# Altium PCB FPv0.16.PcbDoc (part 1 of 2)
Units mil, origin at the board's own origin, x right, y up, seen from the top; angles counter-clockwise.
Board outline 3200 x 2100 mil, 4 copper layers (Top Layer, GROUND PLANE, MidLayer1, Bottom Layer); 85 components, 150 nets, 545 pads, 235 vias.
Unrouted connection lines stored in the file: 72.
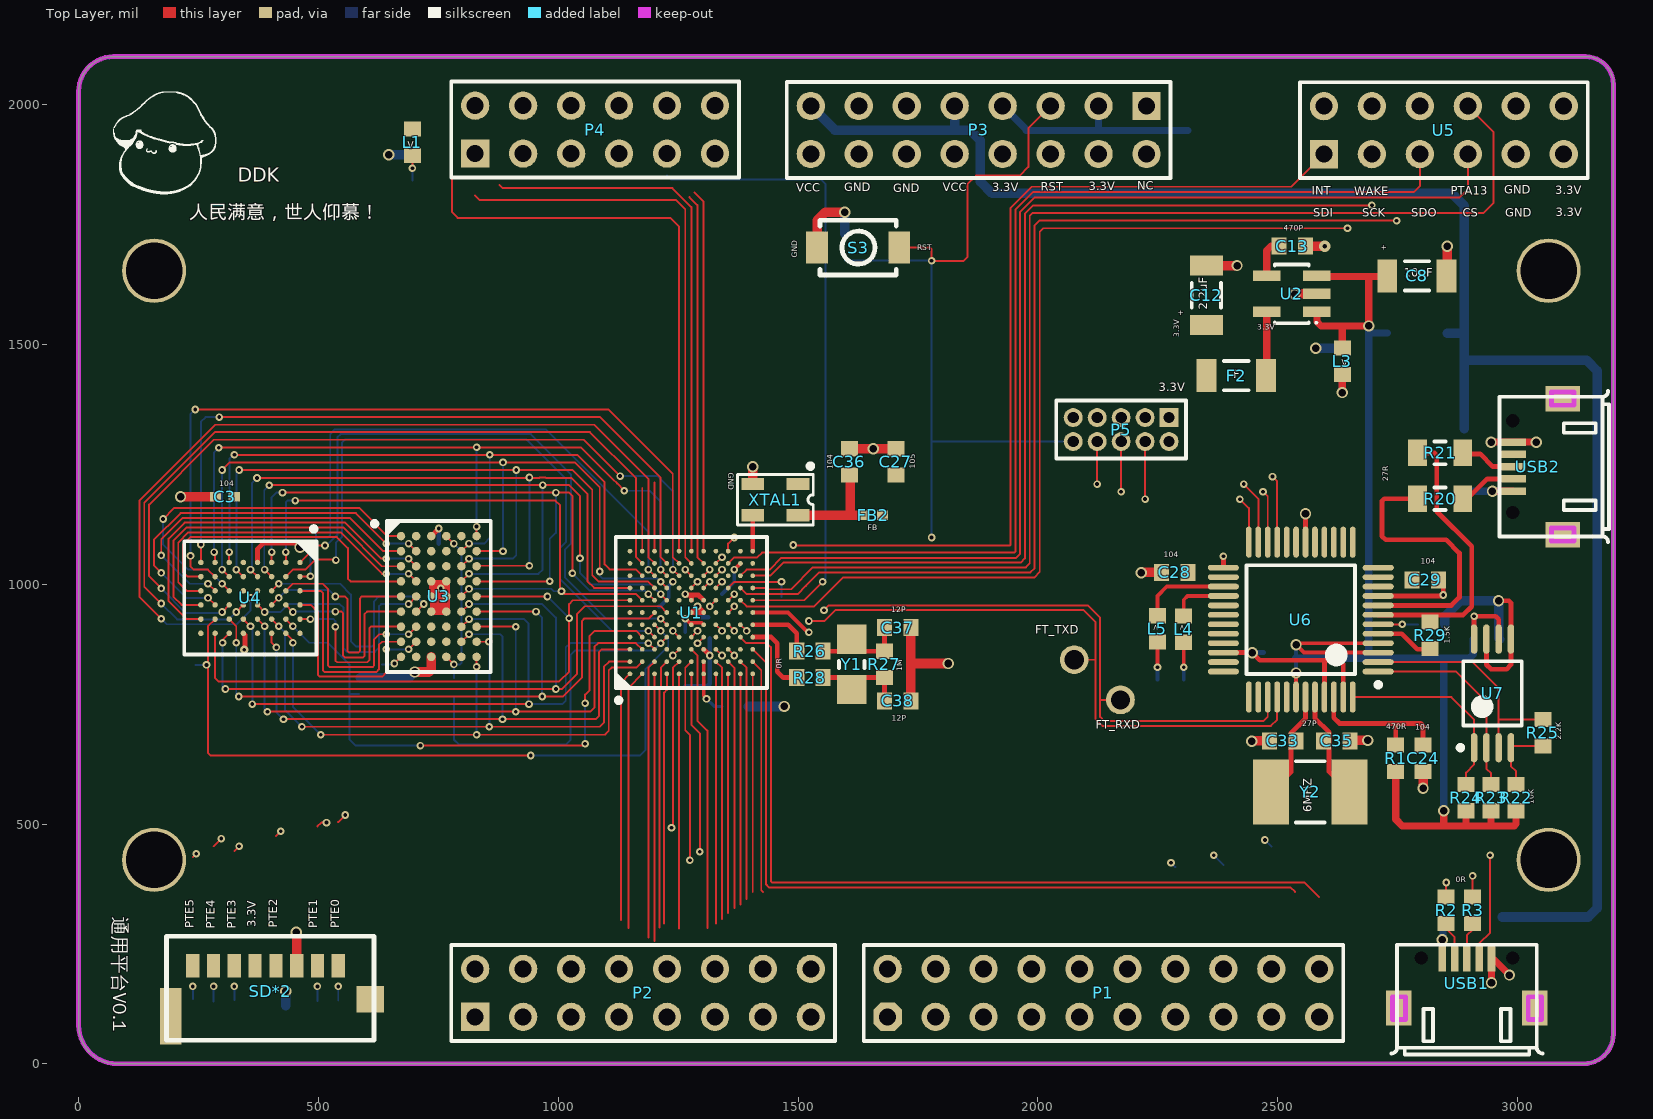
[diagram p0: Top Layer view]
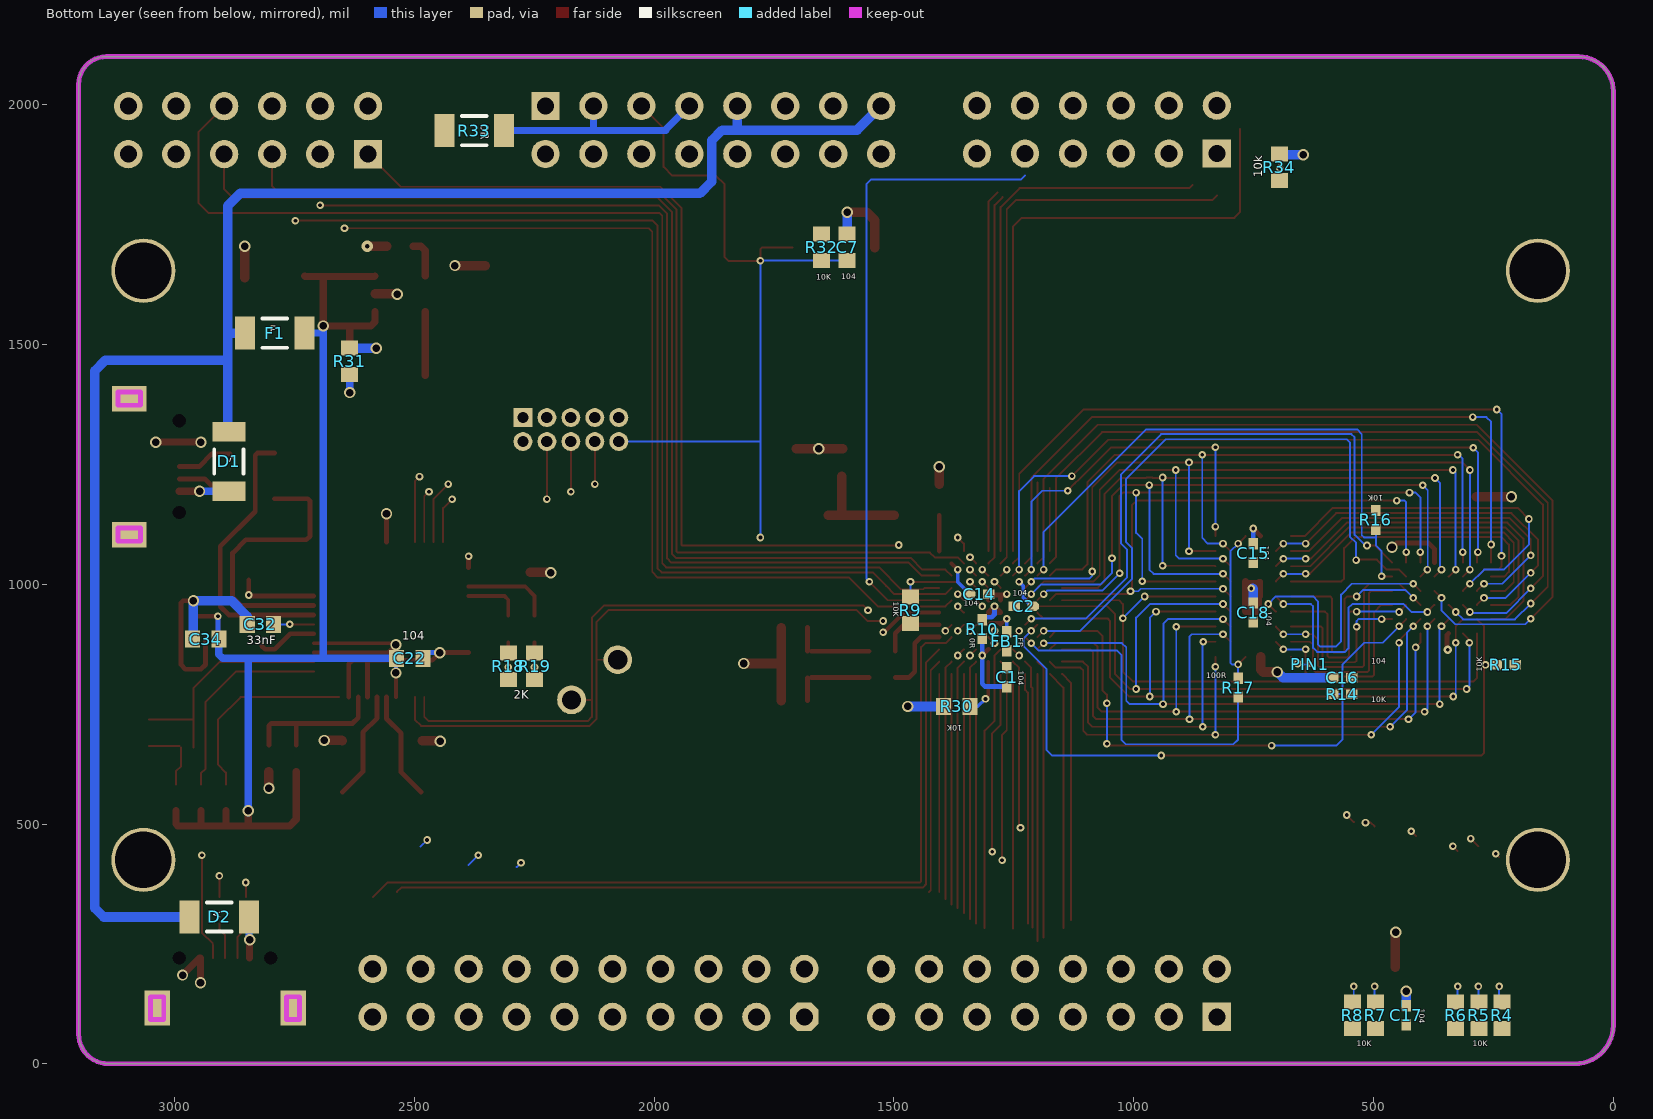
[diagram p1: Bottom Layer view, seen from below]
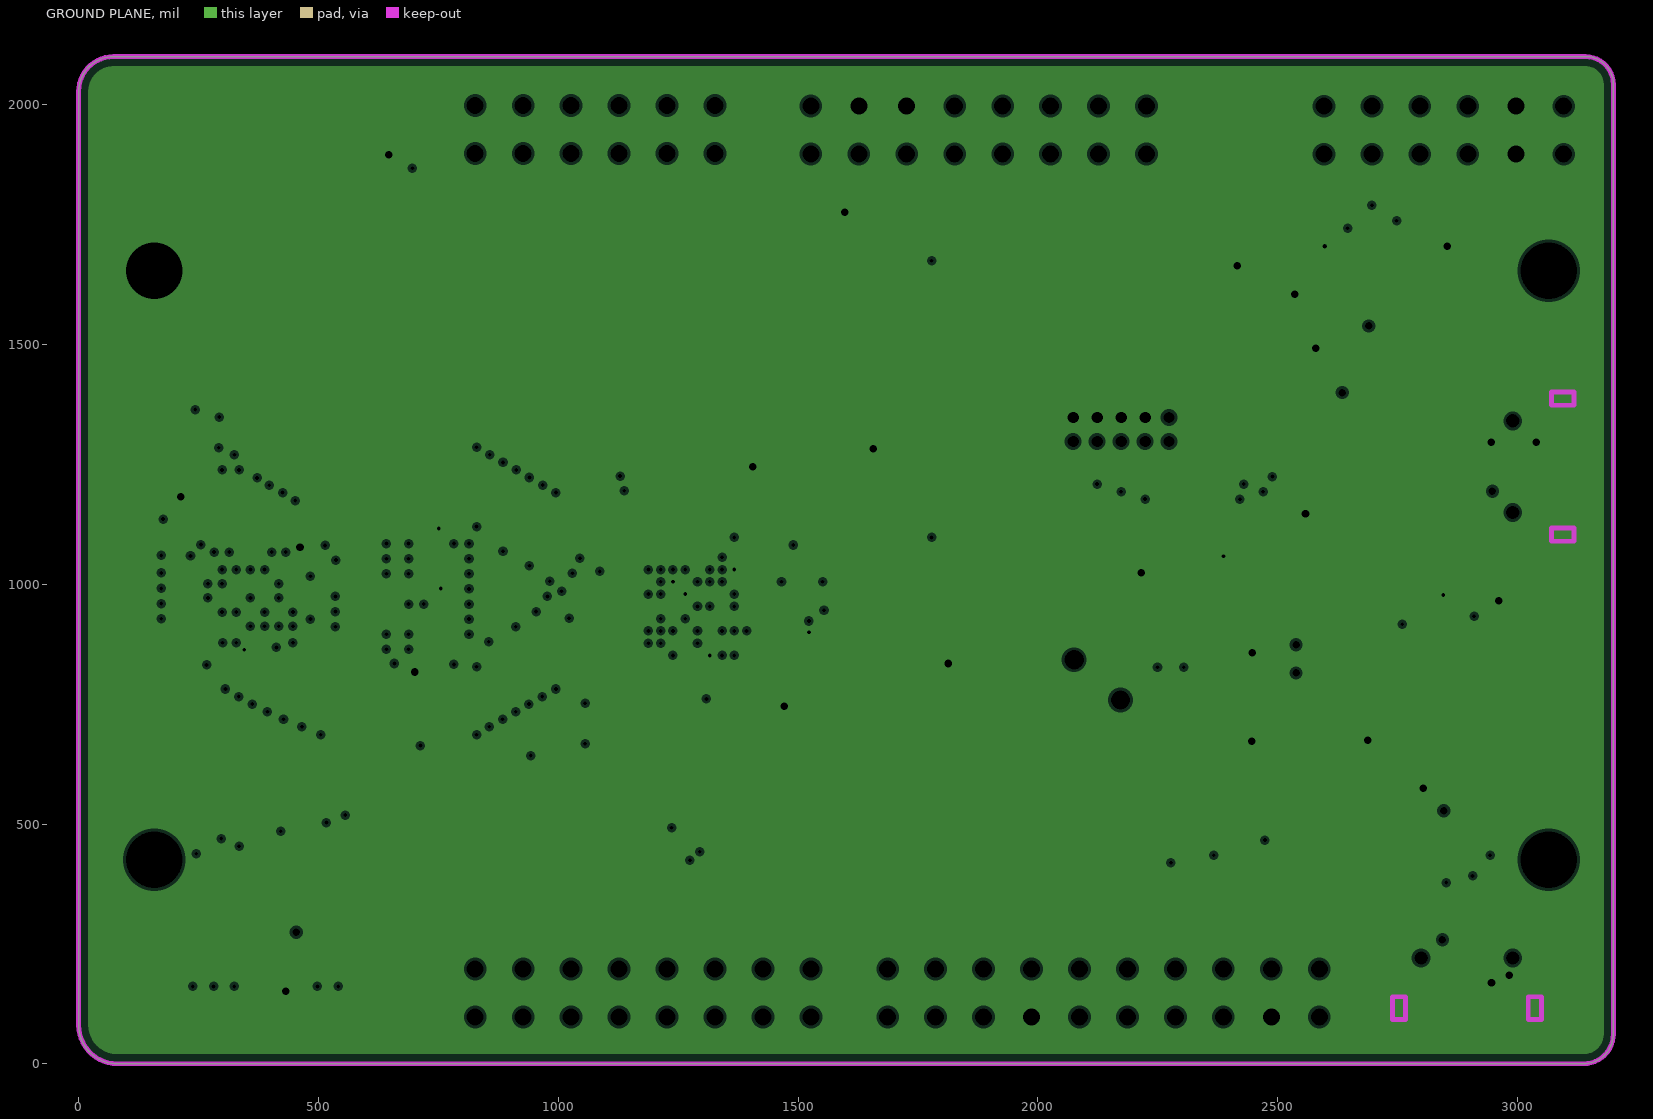
[diagram p2: GROUND PLANE, clearances drawn from the general rule]
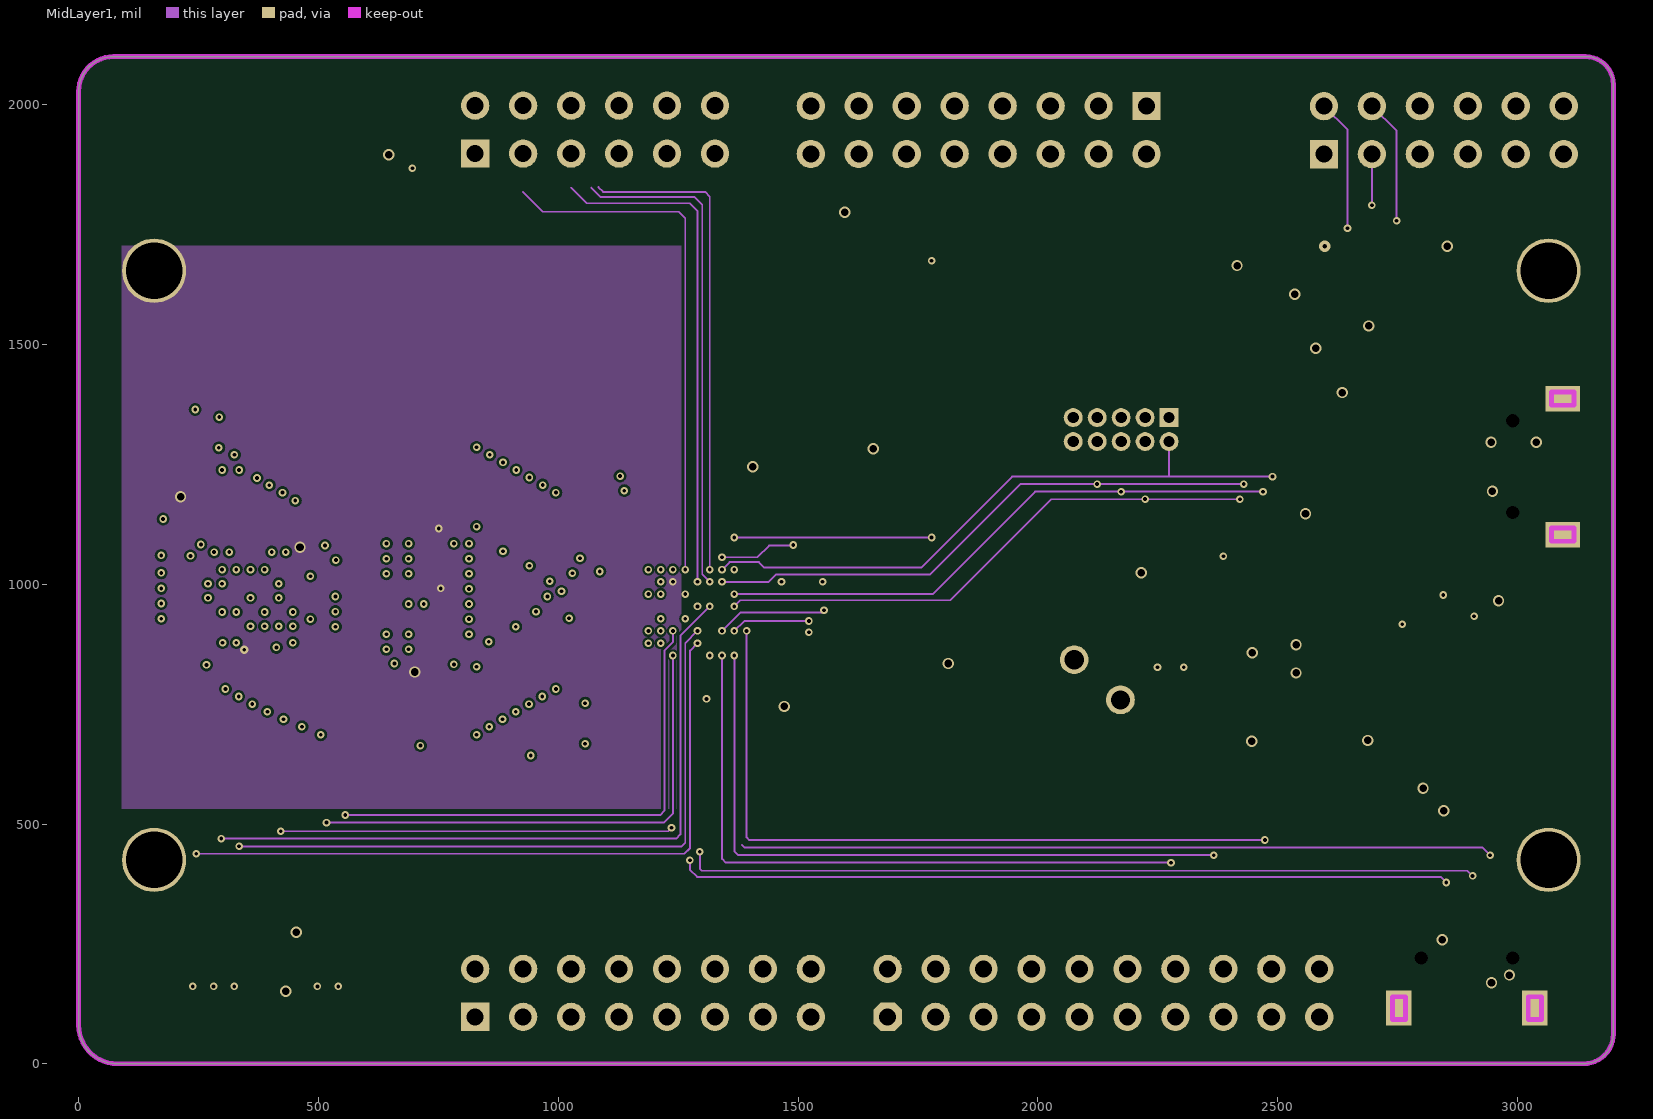
[diagram p3: MidLayer1]

## Layer stack, top to bottom
Top Layer: signal copper 1.4
Dielectric: prepreg 12.6, FR-4, Dk 4.8
GROUND PLANE: plane copper 1.4, net GND
Dielectric: core 12.6, FR-4, Dk 4.8
MidLayer1: signal copper 1.4
Dielectric: prepreg 12.6, FR-4, Dk 4.8
Bottom Layer: signal copper 1.4

## Board outline
0,80.71 0,2027.56 cw(c72.44,2027.56) 72.44,2100 3142.13,2100 cw(c3142.13,2042.13) 3200,2042.13 3200,62.2 cw(c3137.8,62.2) 3137.8,0 80.71,0 cw(c80.71,80.71)

## Design rules (kind name [scope] priority, off if disabled: settings)
Clearance [All] p1: gap=5
DiffPairsRouting [All] p1: maxlimit=10 minlimit=10 mostfreqgap=10 maxuncoupledlength=500
HoleSize [All] p1: absolutevalues=TRUE maxlimit=100 minlimit=7.87 maxpercent=80.000 minpercent=20.000
PlaneClearance [All] p1: clearance=6
PlaneConnect [All] p1: planeconnectstyle=Direct reliefexpansion=20 reliefentries=4 reliefconductorwidth=10 reliefairgap=10
PolygonConnect [All] p1: connectstyle=Direct reliefconductorwidth=10 reliefentries=4 polygonreliefangle="90 Angle" airgapwidth=10
RoutingVias [All] p1: holewidth=28 width=50 viastyle="Through Hole" minholewidth=28 minwidth=50 maxholewidth=28 maxwidth=50
SolderMaskExpansion [All] p1: expansion=4
Width [All] p1: maxlimit=70 minlimit=4 preferedwidth=10 minimp=50.000000 maximp=50.000000 favimp=50.000000
24 further rules are at their usual default settings.

## Classes and differential pairs
from-to class SRAM_DATA: "AD0 (U1-B2 : U4-B6)" "AD1 (U1-A2 : U4-C5)" "AD2 (U1-A3 : U4-C6)" "AD3 (U1-B3 : U4-D5)" "AD4 (U1-C3 : U4-E5)" "AD5 (U1-C6 : U4-F5)" "AD6 (U1-D6 : U4-F6)" "AD7 (U1-A7 : U4-G6)" "AD8 (U1-B7 : U4-B1)" "AD9 (U1-C7 : U4-C1)" "AD10 (U1-D7 : U4-C2)" "AD11 (U1-A8 : U4-D2)" "AD12 (U1-C8 : U4-E2)" "AD13 (U1-D8 : U4-F2)" "AD14 (U1-B9 : U4-F1)" "AD15 (U1-D9 : U4-G1)" "AD16 (U1-E9 : U4-F4)" "AD17 (U1-B10 : U4-E4)" "AD18 (U1-C10 : U4-D3)" "AD19 (U1-D10 : U4-H1)" "AD20 (U1-E10 : U4-G2)"
component class MCU_K64FX: C1 C2 C3 C7 C27 C36 C37 C38 FB1 FB2 P5 R4 R5 R6 R7 R8 R9 R10 R26 R27 R28 R30 R32 S3 U1 XTAL1 Y1
component class Memory: C14 C15 C16 C17 C18 PIN1 R14 R15 R16 R17 U3 U4
component class power_manage: C8 C12 C13 D1 D2 F1 F2 L3 R31 U2
component class protocol1: L1 P1 P2 P3 P4 R2 R3 R33 R34 SD*2 USB1
component class protocol2: C22 C24 C28 C29 C32 C33 C34 C35 L4 L5 R1 R18 R19 R20 R21 R22 R23 R24 R25 R29 U6 U7 USB2 Y2
component class RF_mod: U5
net class AD[20..0]: AD0 AD1 AD2 AD3 AD4 AD5 AD6 AD7 AD8 AD9 AD10 AD11 AD12 AD13 AD14 AD15 AD16 AD17 AD18 AD19 AD20
net class PTE[0..5]: PTE0 PTE1 PTE2 PTE3 PTE4 PTE5 PTE6 PTE24 PTE25 PTE26
differential pair USB0D: +USB0D_P -USB0D_N
differential pair USB1D: +USB1D_P -USB1D_N

## Components (designator, comment, footprint, x,y, rotation, side; value= is the part's Value field where it differs from the comment)
C1 "Cap" 0402#1 1264.76,806.1 r90 bottom
C2 "Cap" 0402#2 1229.33,953.74 r0 bottom
C3 "Cap" 0402#1 305.12,1182.09 r0 top
C7 "Cap" 1608[0603] 1597.44,1702.76 r270 bottom
C8 "Cap Pol1" 1206(2) 2790.35,1642.72 r0 top
C12 "Cap Pol1" 1206(2) 2351.38,1602.36 r90 top
C13 "Cap" 1608[0603] 2530.51,1704.72 r180 top
C14 "Cap Pol1" 0402#3 1321.85,979.33 r0 bottom
C15 "Cap" 0402#1 750.98,1064.96 r270 bottom
C16 "Cap" 0402#1 564.96,805.12 r180 bottom
C17 "Cap" 0402#1 432.09,101.38 r270 bottom
C18 "Cap" 0402#1 750.98,940.94 r270 bottom
C22 "Cap" 1608[0603] 2509.84,845.47 r0 bottom
C24 "Cap" 1608[0603] 2803.15,636.81 r270 top
C27 "Cap" 1608[0603] 1703.74,1254.92 r270 top
C28 "Cap" 1608[0603] 2285.43,1024.61 r0 top
C29 "Cap" 1608[0603] 2808.07,1008.86 r180 top
C32 "Cap" 1608[0603] 2820.87,916.34 r0 bottom
C33 "Cap" 1608[0603] 2510.83,673.23 r0 top
C34 "Cap" 1608[0603] 2935.2,885.47 r180 bottom
C35 "Cap" 1608[0603] 2623.03,673.23 r0 top
C36 "Cap" 1608[0603] 1607.28,1254.92 r270 top
C37 "Cap" 1608[0603] 1707.68,909.45 r180 top
C38 "Cap" 1608[0603] 1707.68,756.89 r180 top
D1 "sk4" 1206(2) 2886.81,1255.91 r90 bottom
D2 "sk4" 1206(2) 2906.5,306.1 r0 bottom
F1 "300-500mA" 1206(2) 2791.34,1523.62 r180 bottom
F2 "300-500mA" 1206(2) 2413.39,1435.04 r180 top
FB1 "Inductor" 0402#1 1264.76,880.91 r90 bottom
FB2 "Inductor" 0402#1 1656.5,1143.7 r180 top
L1 "LED" 1608[0603] 695.87,1921.26 r270 top
L3 "LED" 1608[0603] 2634.84,1464.57 r270 top
L4 "LED" 1608[0603] 2304.13,906.5 r90 top
L5 "LED" 1608[0603] 2249.37,906.65 r90 top
P1 "Header 10X2" HDR2X10 1686.81,97.83 r0 top
P2 "Header 8X2" HDR2X8 826.81,97.83 r0 top
P3 "Header 8X2" HDR2X8 2226.61,1997.05 r180 top
P4 "Header 6X2" HDR2X6 826.81,1897.83 r0 top
P5 "JTAG" MHDR2X5 2273.62,1347.44 r180 top
PIN1 "PIN" PIN 632.87,832.68 r180 bottom
R1 "Res" 1608[0603] 2746.06,636.81 r90 top
R2 "Res" 1608[0603] 2851.38,319.88 r270 top
R3 "Res" 1608[0603] 2906.5,319.88 r270 top
R4 "Res" 1608[0603] 232.28,101.38 r90 bottom
R5 "Res" 1608[0603] 280.51,101.38 r90 bottom
R6 "Res" 1608[0603] 328.74,101.38 r90 bottom
R7 "Res" 1608[0603] 496.06,101.38 r90 bottom
R8 "Res" 1608[0603] 544.29,101.38 r90 bottom
R9 "Res" 1608[0603] 1465.55,945.87 r90 bottom
R10 "Res" 0402#1 1315.94,906.5 r90 bottom
R14 "Res" 0402#1 564.96,770.67 r180 bottom
R15 "Res" 0402#1 224.41,831.69 r180 bottom
R16 "Res" 0402#1 495.08,1133.86 r90 bottom
R17 "Res" 0402#1 782.48,784.45 r90 bottom
R18 "Res" 1608[0603] 2304.13,828.62 r90 bottom
R19 "Res" 1608[0603] 2249.37,828.78 r90 bottom
R20 "Res" R2012 2838.58,1178.15 r180 top
R21 "Res" R2012 2838.58,1273.62 r180 top
R22 "Res" 1608[0603] 2997.05,555.12 r90 top
R23 "Res" 1608[0603] 2944.88,555.12 r90 top
R24 "Res" 1608[0603] 2892.72,555.12 r90 top
R25 "Res" 1608[0603] 3053.15,689.96 r270 top
R26 "Res" 1608[0603] 1524.76,860.32 r180 top
R27 "Res" 1608[0603] 1680.12,832.68 r270 top
R28 "Res" 1608[0603] 1524.76,805.32 r180 top
R29 "Res" 1608[0603] 2817.91,893.7 r270 top
R30 "Res" 1608[0603] 1369.09,745.08 r180 bottom
R31 "Res" 1608[0603] 2634.84,1464.57 r270 bottom
R32 "Res" 1608[0603] 1651.02,1702.52 r270 bottom
R33 "Res" 1206 2375,1945.87 r0 bottom
R34 "Res" 1608[0603] 696.37,1869.61 r270 bottom
S3 "SW-PB" "key 3*4*2" 1625.98,1701.77 r0 top
SD*2 "TF_card" TF卡座(短体) 183.07,49.21 r0 top
U1 "MK64FX512VDC" BGA121C65P11X11_800X800X50 1277.56,940.94 r90 top
U2 "MIC5219" SOT-23-5 2529.53,1605.31 r90 top
U3 "SN74LVC16373A(BGA54)" BGA54C80P6X9_550X800X120 750.98,974.41 r0 top
U4 "EM7164SU16" BGA48C75P6X8_598X698X104 358.27,971.46 r270 top
U5 "Header 6X2" HDR2X6 2596.46,1896.65 r0 top
U6 "FT2232D" TSQFP50P900X900X160-48N 2548.23,926.18 r180 top
U7 "AT93C46D" TSOP65P640X120-8N-AT93C46D 2947.99,772.28 r90 top
USB1 "USB_5line" USB-MICRO-5P-2F#1 2843.5,220.47 r180 top
USB2 "USB_5line" USB-MICRO-5P-2F#2 2990.16,1193.9 r270 top
XTAL1 "50M有源晶体" XTAL7_3225 1452.76,1176.18 r180 top
Y1 "32.768kHZ" 3215 1612.2,832.68 r270 top
Y2 "6MHz" 5032 2567.91,566.93 r180 top

## Footprints (in the part's own frame and the unit in brackets; to place one, negate y for a bottom-side part, rotate by r counter-clockwise, add the part's x,y. Pads: shape width x height; smd on the part's side, far side on the other; paste and mask are expansions set on the pad)
0402#1 [mm] "Chip Capacitor, Body 1.0x0.5mm, IPC High Density"
  rect 0.6x0.5 smd: 1(-0.5,0) 2(0.5,0)
  body extent -0.55,-0.3 0.55,0.3, height 1.3
0402#2 [mm] "Chip Capacitor, Body 1.0x0.5mm, IPC High Density"
  oct 0.6x0.5 smd: 1(-0.5,0)
  rect 0.6x0.5 smd: 2(0.5,0)
  body extent -0.55,-0.3 0.55,0.3, height 1.3
0402#3 [mm] "Chip Capacitor, Body 1.0x0.5mm, IPC High Density"
  rect 0.6x0.5 smd: 1(-0.5,0)
  oval 0.6x0.5 smd mask+0.051: 2(0.5,0)
  body extent -0.55,-0.3 0.55,0.3, height 1.3
1206 [mm]
  rect 1.05x1.75 smd: 1(-1.575,0) 2(1.575,0)
  silkscreen extent -0.65,-0.77 0.65,0.77, body extent -1.6,-0.8 1.6,0.8, height 1.6
1206(2) [mm]
  rect 1.05x1.75 smd: 1(-1.575,0) 2(1.575,0)
  silkscreen extent -0.65,-0.77 0.65,0.77, body extent -1.6,-0.8 1.6,0.8, height 1.6
1608[0603] [mm] "Chip Capacitor, Body 1.6x0.8mm, IPC High Density"
  rect 0.8x0.9 smd: 1(-0.7,0) 2(0.7,0)
  body extent -0.87,-0.48 0.87,0.48, height 1.3
3215 [mm]
  rect 1.54x1.55 smd: 1(-1.335,0) 2(1.335,0)
  silkscreen extent -0.2,-0.67 0.2,0.67, body extent -1.65,-0.75 1.65,0.75, height 0.75
5032 [mm]
  rect 1.9x3.45 smd: 1(-2.075,0) 2(2.075,0)
  silkscreen extent -0.75,-1.63 0.75,1.63, body extent -2.6,-1.7 2.6,1.7, height 1.3
BGA48C75P6X8_598X698X104 [mm] "BGA, 48-Leads, Body 5.98x6.98mmx1.04mm, Pitch 0.75mm"
  round 0.29 smd: A1(-1.875,2.625) A2(-1.125,2.625) A3(-0.375,2.625) A4(0.375,2.625) A5(1.125,2.625) A6(1.875,2.625) B1(-1.875,1.875) B2(-1.125,1.875) B3(-0.375,1.875) B4(0.375,1.875) B5(1.125,1.875) B6(1.875,1.875) C1(-1.875,1.125) C2(-1.125,1.125) C3(-0.375,1.125) C4(0.375,1.125) C5(1.125,1.125) C6(1.875,1.125) D1(-1.875,0.375) D2(-1.125,0.375) D3(-0.375,0.375) D4(0.375,0.375) D5(1.125,0.375) D6(1.875,0.375) E1(-1.875,-0.375) E2(-1.125,-0.375) E3(-0.375,-0.375) E4(0.375,-0.375) E5(1.125,-0.375) E6(1.875,-0.375) F1(-1.875,-1.125) F2(-1.125,-1.125) F3(-0.375,-1.125) F4(0.375,-1.125) F5(1.125,-1.125) F6(1.875,-1.125) G1(-1.875,-1.875) G2(-1.125,-1.875) G3(-0.375,-1.875) G4(0.375,-1.875) G5(1.125,-1.875) G6(1.875,-1.875) H1(-1.875,-2.625) H2(-1.125,-2.625) H3(-0.375,-2.625) H4(0.375,-2.625) H5(1.125,-2.625) H6(1.875,-2.625)